# KiCad board ardumower mega shield svn.kicad_pcb (continued)
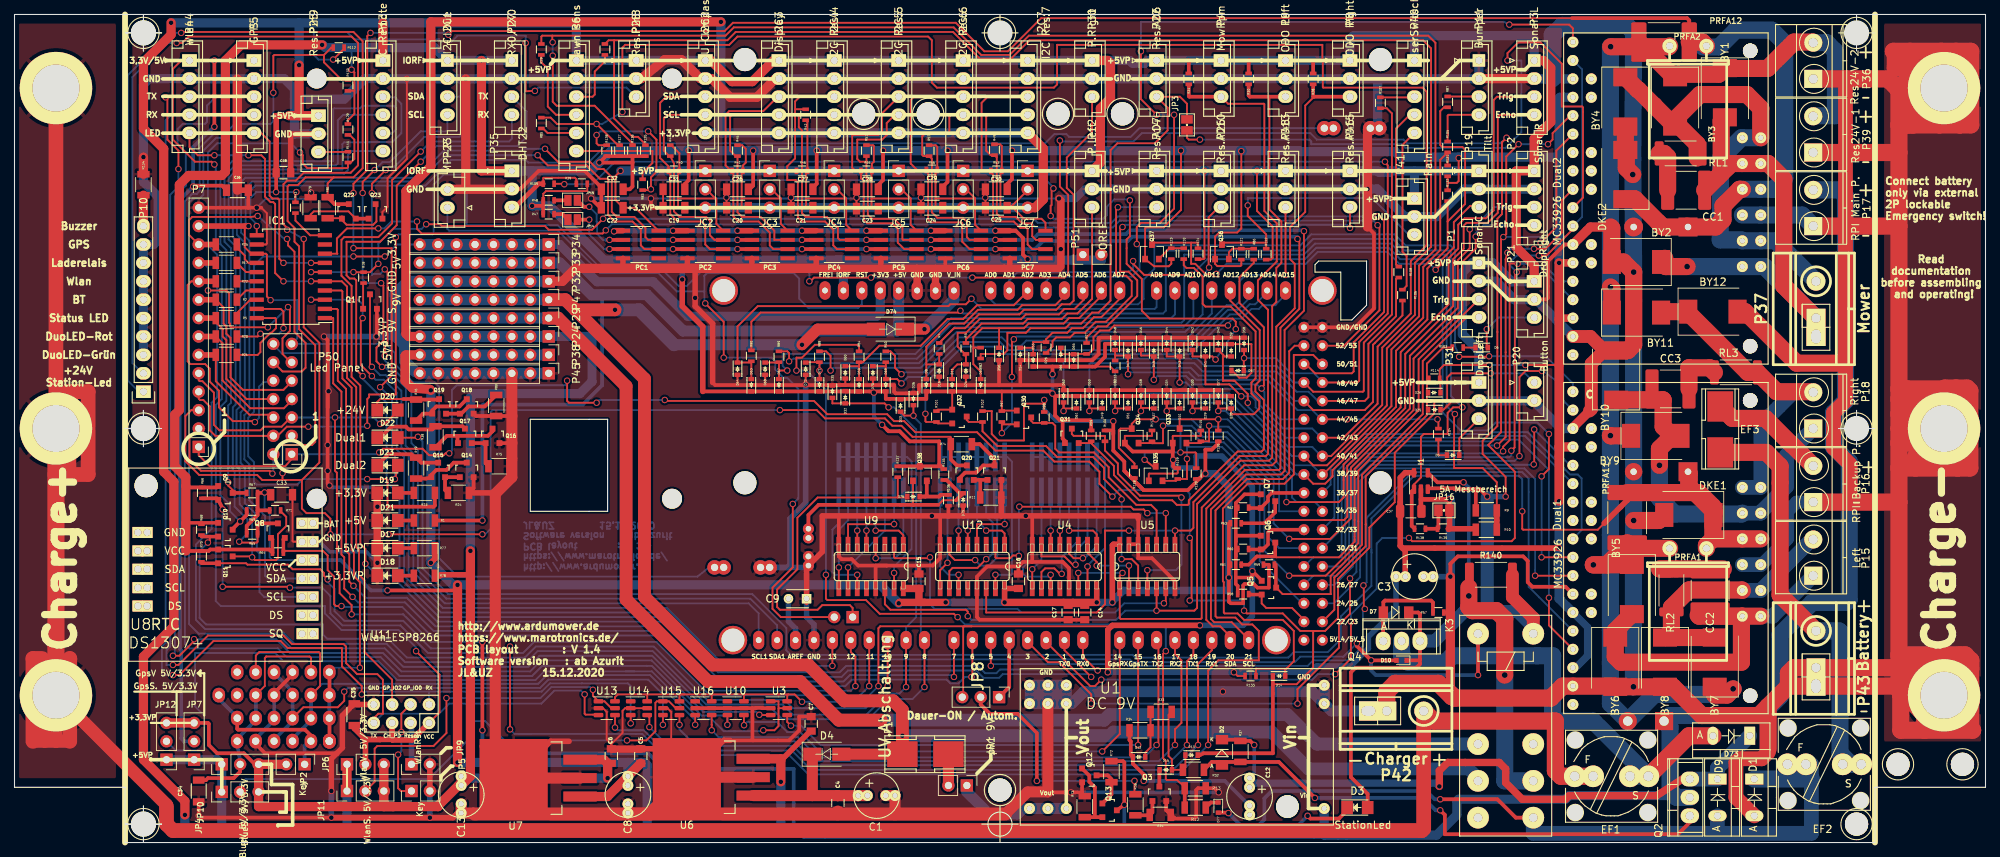
[diagram p0: board, top side]
## Placement (name value [footprint] x y rotation side) (continued)
R126  XXXX  [R_0603]  85.22 95.5 270 top
R127  XXXX  [R_0603]  83.44 95.5 270 top
R128  XXXX  [R_0603]  81.66 95.5 270 top
R129  XXXX  [R_0603]  45.97 98.43 90 top
R130  XXXX  [R_0603]  45.97 104.52 270 top
R131  10K  [R_0603]  197.61 92.71 270 top
R132  10K  [R_0603]  197.61 89.28 90 top
R133  10K  [R_0603]  170.43 22.99 180 top
R134  220R  [R_1206]  17.78 90.81 90 top
R135  56K  [R_0603]  128.14 50.8 270 top
R136  1K  [R_0603]  128.78 47.24 270 top
R137  10K  [R_0603]  121.79 51.18 90 top
R138  10K  [R_0603]  193.8 43.31 0 top
R139  10K  [R_0603]  196.98 43.31 0 top
R140  0.1 1% 2W  [R_2512_6332Metric]  203.58 36.96 180 top
RL1  WF25P-1R8-5% 2W  [R_2512_6332Metric]  229.74 95.12 0 top
RL2  WF25P-1R8-5% 2W  [R_2512_6332Metric]  228.47 34.8 270 top
RL3  WF25P-1R8-5% 2W  [R_2512_6332Metric]  237.36 64.9 0 top
S1  ODO Right  [SW_DIP_x8_SMD]  144.78 50.8 180 bottom
S2  ODO Left  [SW_DIP_x8_SMD]  118.11 50.8 180 bottom
S3  MowRpm  [SW_DIP_x8_SMD]  132.08 50.8 180 bottom
SHIELD1  ARDUINO_MEGA_SHIELD  [ARDUINO_MEGA_SHIELD_DUO_3D]  83.82 78.74 0 bottom
SP1  SPEAKER  [Buzzer_12x9.5RM7.6_RM5.0]  184.4 98.6 180 bottom
SP2  SPEAKER  [Buzzer_12x9.5RM7.6_RM5.0]  100.33 37.97 180 bottom
U1  DC 9V  [DC_DC_DSN2596_mit_Bohrloch_doppelte_Lochreihe]  181.86 24 180 top
U2  Bluetooth_CZ_HC_05  [Bluetooth_Buchse_Platz_mit_Beschriftung_4_fach]  37.06 14 180 bottom
U3  SN74LVC1T45DBV  [SOT-23-6]  105.41 18.54 0 top
U4  4017  [40xx-SO16]  144.78 38.1 180 top
U5  4081  [40xx-SO14]  156.21 38.1 0 top
U6  LM2940CS-5.0  [TO-263-3Lead]  101.85 9.02 180 top
U7  LM3940IS-3.3  [TO-263-3Lead]  77.98 8.89 180 top
U8  DS1307+  [Tiny_RTC_DS1307_geändert_mit_Bohrloch_4Lochreihen]  28.45 40.26 180 top
U9  4017  [40xx-SO16]  118.11 38.1 180 top
U10  SN74LVC1T45DBV  [SOT-23-6]  99.44 18.54 0 top
U11  Wlan_ESP8266  [Wlan_ESP8266_3D_mit_Pin_Beschreibung_ohne_Rahmen]  53.34 17.78 0 top
U12  4017  [40xx-SO16]  132.08 38.1 180 top
U13  SN74LVC1T45DBV  [SOT-23-6]  81.66 18.54 0 top
U14  SN74LVC1T45DBV  [SOT-23-6]  86.11 18.54 0 top
U15  SN74LVC1T45DBV  [SOT-23-6]  90.55 18.54 0 top
U16  SN74LVC1T45DBV  [SOT-23-6]  95 18.54 0 top

## Library data of the parts
B1-B10 B13 B17-B22 = -: Bestücken (Assemble): Bohrloch; Dateiname Blatt: Bohrlöcher.kicad_sch; Gehäuseart: Bohrloch; Reichelt-Bestellnummer: Value; Schaltplanname: Bohrlöcher; Technische Daten: Bohrloch
B11 B12 B14 = -: Bestellnummer: Value; Bestücken (Assemble): Bohrloch; Dateiname Blatt: Bohrlöcher.kicad_sch; Funktion: Bohrloch; Gehäuseart: Bohrloch; Reichelt-Bestellnummer: Value; Schaltplanname: Bohrlöcher; Technische Daten: Bohrloch
B15 = -: Bestellnummer: Value; Bestücken (Assemble): Bohrloch; Dateiname Blatt: Bohrlöcher.kicad_sch; Gehäuseart: Bohrloch; Reichelt-Bestellnummer: Value; Schaltplanname: Bohrlöcher
B16 = -: Bauform: Value; Bestellnummer: Value; Bestücken (Assemble): Bohrloch; Dateiname Blatt: Bohrlöcher.kicad_sch; Funktion: Bohrloch; Gehäuseart: Bohrloch; Hersteller: Value; Reichelt-Bestellnummer: Value; Schaltplanname: Bohrlöcher; Technische Daten: Bohrloch
B23 B24 = -: Bauform: Value; Bestellnummer: Value; Bestücken (Assemble): Symbol Logo; Dateiname Blatt: Bohrlöcher.kicad_sch; Funktion: Symbol Logo; Gehäuseart: Bohrloch; Hersteller: Value; Schaltplanname: Bohrlöcher; Technische Daten: Symbol Logo
BY1-BY4 = -: Bauform: SMC; Bestelllink: https://www.mouser.de/ProductDetail/Diodes-Incorporated/S5MC-13-F?qs=xKg2%2Fz3XHc%252B1zUvQcK7GkA==; Bestellnummer: Value; Bestücken (Assemble): JA (YES); Dateiname Blatt: MähmotorSchutz.kicad_sch; Funktion: Gleichrichter 1000V 5A; Gehäuseart: SMC; Mouser Datenblatt: https://www.mouser.de/datasheet/2/115/ds16007-37966.pdf; Mouser Nummer: 621-S5MC-F; Schaltplanname: MähmotorSchutz; Technische Daten: Gleichrichter 1000V 5A
BY5-BY8 = -: Bauform: SMC; Bestelllink: https://www.mouser.de/ProductDetail/Diodes-Incorporated/S5MC-13-F?qs=xKg2%2Fz3XHc%252B1zUvQcK7GkA==; Bestellnummer: Value; Bestücken (Assemble): JA (YES); Dateiname Blatt: MotorLinks.kicad_sch; Funktion: Gleichrichter 1000V 5A; Gehäuseart: SMC; Mouser Datenblatt: https://www.mouser.de/datasheet/2/115/ds16007-37966.pdf; Mouser Nummer: 621-S5MC-F; Schaltplanname: MotorLinks; Technische Daten: Gleichrichter 1000V 5A
BY9-BY12 = -: Bauform: SMC; Bestelllink: https://www.mouser.de/ProductDetail/Diodes-Incorporated/S5MC-13-F?qs=xKg2%2Fz3XHc%252B1zUvQcK7GkA==; Bestellnummer: Value; Bestücken (Assemble): JA (YES); Dateiname Blatt: MotorRechts.kicad_sch; Funktion: Gleichrichter 1000V 5A; Gehäuseart: SMC; Mouser Datenblatt: https://www.mouser.de/datasheet/2/115/ds16007-37966.pdf; Mouser Nummer: 621-S5MC-F; Schaltplanname: MotorRechts; Technische Daten: Gleichrichter 1000V 5A
C1 C8 C13 = -: Bauform: 6,3x11mm, RM 2,5mm; Bestelllink: https://www.reichelt.de/de/en/electrolytic-capacitor-6-3-x-11-mm-spacing-2-5-mm-rad-22-63-p15116.html?&trstct=pos_0&nbc=1; Bestellnummer: R: RAD 22/63; Bestücken (Assemble): NEIN (NO); Dateiname Blatt: Spannungsversorgung.kicad_sch; Funktion: Elko, radial, 22 µF, 63 V, RM 2,5, 85°C, 2000h, 20%; Gehäuseart: Value; Reichelt-Bestellnummer: R: RAD 22/63; Schaltplanname: Spannungsversorgung; Technische Daten: Elko, radial, 22 µF, 63 V, RM 2,5, 85°C, 2000h, 20%
C2 = -: Bauform: Value; Bestelllink: Value; Bestellnummer: Value; Bestücken (Assemble): NEIN (NO); Dateiname Blatt: Anschlußstecker.kicad_sch; Funktion: Value; Gehäuseart: Value; Hersteller: Value; Schaltplanname: Anschlußstecker; Technische Daten: Value
C3 = -: Bauform: Value; Bestelllink: Value; Bestellnummer: Value; Bestücken (Assemble): NEIN (NO); Dateiname Blatt: ardumower mega shield svn.kicad_sch; Funktion: Value; Gehäuseart: Value; Technische Daten: Value
C4-C7 = -: Bestelllink: https://www.reichelt.de/de/en/mlcc-0805-100nf-100v-10-ft-cap-x7r-0805fcg-100n-p193842.html?GROUPID=8048&SEARCH=0805%2B100nf&&r=1; Bestellnummer: Value; Bestücken (Assemble): JA (YES); Dateiname Blatt: Spannungsversorgung.kicad_sch; Funktion: X7R 0805FCG 100N MLCC, 0805, 100nF, 100V, 10%, FT-Cap; Gehäuseart: Value; Schaltplanname: Spannungsversorgung
C9 = -: Bestelllink: Value; Bestellnummer: Value; Bestücken (Assemble): NEIN (NO); Dateiname Blatt: Arduino_Mega.kicad_sch; Funktion: Value; Gehäuseart: Value; Schaltplanname: Arduino_Mega
C10 = -: Bestelllink: Value; Bestellnummer: Value; Bestücken (Assemble): NEIN (NO); Dateiname Blatt: Motortreiber1.kicad_sch; Funktion: Value; Gehäuseart: Value; Schaltplanname: Motortreiber1
C11 = -: Bestelllink: Value; Bestellnummer: Value; Bestücken (Assemble): NEIN (NO); Dateiname Blatt: Motortreiber2.kicad_sch; Funktion: Value; Gehäuseart: Value; Schaltplanname: Motortreiber2
C12 = -: Bauform: 6,3x11mm, RM 2,5mm; Bestelllink: https://www.reichelt.de/de/en/electrolytic-capacitor-6-3-x-11-mm-spacing-2-5-mm-rad-22-63-p15116.html?&trstct=pos_0&nbc=1; Bestellnummer: R: RAD 22/63; Bestücken (Assemble): NEIN (NO); Dateiname Blatt: USpannungAB.kicad_sch; Funktion: Elko, radial, 22 µF, 63 V, RM 2,5, 85°C, 2000h, 20%; Gehäuseart: Value; Reichelt-Bestellnummer: R: RAD 22/63; Schaltplanname: USpannungAB; Technische Daten: Elko, radial, 22 µF, 63 V, RM 2,5, 85°C, 2000h, 20%
C14-C17 = -: Bauform: Value; Bestelllink: https://www.reichelt.de/de/en/mlcc-0805-100nf-100v-10-ft-cap-x7r-0805fcg-100n-p193842.html?GROUPID=8048&SEARCH=0805%2B100nf&&r=1; Bestellnummer: Value; Bestücken (Assemble): JA (YES); Dateiname Blatt: OdoTeiler.kicad_sch; Funktion: X7R 0805FCG 100N MLCC, 0805, 100nF, 100V, 10%, FT-Cap; Gehäuseart: Value; Schaltplanname: OdoTeiler; Technische Daten: Value
C18 = -: Bauform: Value; Bestelllink: https://www.reichelt.de/de/en/mlcc-0805-100nf-100v-10-ft-cap-x7r-0805fcg-100n-p193842.html?GROUPID=8048&SEARCH=0805%2B100nf&&r=1; Bestellnummer: Value; Bestücken (Assemble): JA (YES); Dateiname Blatt: Leuchtdioden.kicad_sch; Funktion: X7R 0805FCG 100N MLCC, 0805, 100nF, 100V, 10%, FT-Cap; Gehäuseart: Value; Schaltplanname: Leuchtdioden; Technische Daten: Value
C19-C33 = -: Bauform: Value; Bestelllink: https://www.reichelt.de/de/en/mlcc-1206-100nf-100v-5--x7r-1206-bg-100n-p194430.html?GROUPID=8049&SEARCH=1206%2B100nf&&r=1; Bestellnummer: Value; Bestücken (Assemble): JA (YES); Dateiname Blatt: I2C.kicad_sch; Funktion: X7R 1206 BG 100N MLCC, 1206, 100nF, 100V, 5%; Gehäuseart: 1206; Hersteller: Value; Hersteller Bestellnummer: Value; Schaltplanname: I2C; Technische Daten: X7R 1206 BG 100N MLCC, 1206, 100nF, 100V, 5%
C34-C36 = -: Bauform: Value; Bestelllink: https://www.reichelt.de/de/en/mlcc-1206-100nf-100v-5--x7r-1206-bg-100n-p194430.html?GROUPID=8049&SEARCH=1206%2B100nf&&r=1; Bestellnummer: Value; Bestücken (Assemble): JA (YES); Dateiname Blatt: Wlan_BT_GPS.kicad_sch; Funktion: X7R 1206 BG 100N MLCC, 1206, 100nF, 100V, 5%; Gehäuseart: 1206; Hersteller: Value; Hersteller Bestellnummer: Value; Schaltplanname: Wlan_BT_GPS; Technische Daten: X7R 1206 BG 100N MLCC, 1206, 100nF, 100V, 5%
C37 = -: Bauform: Value; Bestelllink: https://www.reichelt.de/de/en/mlcc-1206-100nf-100v-5--x7r-1206-bg-100n-p194430.html?GROUPID=8049&SEARCH=1206%2B100nf&&r=1; Bestellnummer: Value; Bestücken (Assemble): JA (YES); Dateiname Blatt: Stromsensor_INA.kicad_sch; Funktion: X7R 1206 BG 100N MLCC, 1206, 100nF, 100V, 5%; Gehäuseart: 1206; Hersteller: Value; Hersteller Bestellnummer: Value; Schaltplanname: Stromsensor_INA; Technische Daten: X7R 1206 BG 100N MLCC, 1206, 100nF, 100V, 5%
CC1 = -: Bestelllink: https://www.mouser.de/ProductDetail/WIMA/SMDIF02100QA00JQ00?qs=KSac9zHBIo3rfA7nKOuWBw%3D%3D; Bestellnummer: Value; Bestücken (Assemble): JA (YES); Dateiname Blatt: MähmotorSchutz.kicad_sch; Funktion: Film Capacitors 250V .01uF 5% TOL MAX REFLOW 250/C; Gehäuseart: 2220; Mouser Datenblatt: https://www.mouser.de/datasheet/2/440/e_WIMA_SMD_PPS-1139945.pdf; Schaltplanname: MähmotorSchutz; Technische Daten: Film Capacitors 250V .01uF 5% TOL MAX REFLOW 250/C
CC2 = -: Bauform: 2220; Bestelllink: https://www.mouser.de/ProductDetail/WIMA/SMDIF02100QA00JQ00?qs=KSac9zHBIo3rfA7nKOuWBw%3D%3D; Bestellnummer: Value; Bestücken (Assemble): JA (YES); Dateiname Blatt: MotorLinks.kicad_sch; Funktion: Film Capacitors 250V .01uF 5% TOL MAX REFLOW 250/C; Gehäuseart: 2220; Mouser Datenblatt: https://www.mouser.de/datasheet/2/440/e_WIMA_SMD_PPS-1139945.pdf; Schaltplanname: MotorLinks; Technische Daten: Film Capacitors 250V .01uF 5% TOL MAX REFLOW 250/C
CC3 = -: Bauform: 2220; Bestelllink: https://www.mouser.de/ProductDetail/WIMA/SMDIF02100QA00JQ00?qs=KSac9zHBIo3rfA7nKOuWBw%3D%3D; Bestellnummer: Value; Bestücken (Assemble): JA (YES); Dateiname Blatt: MotorRechts.kicad_sch; Funktion: Film Capacitors 250V .01uF 5% TOL MAX REFLOW 250/C; Gehäuseart: 2220; Mouser Datenblatt: https://www.mouser.de/datasheet/2/440/e_WIMA_SMD_PPS-1139945.pdf; Schaltplanname: MotorRechts; Technische Daten: Film Capacitors 250V .01uF 5% TOL MAX REFLOW 250/C
D1 D9 = -: Bauform: Value; Bestelllink: https://www.reichelt.de/schottkydiode-45-v-10-a-to-220ac-mbr-1045-p41944.html?&trstct=pos_0&nbc=1; Bestellnummer: R: MBR 1045; Bestücken (Assemble): NEIN (NO); Dateiname Blatt: ardumower mega shield svn.kicad_sch; Funktion: Schottkydiode, 45 V, 10 A, TO-220AC; Gehäuseart: TO-220AC; Reichelt-Bestellnummer: R: MBR 1045; Technische Daten: Schottkydiode, 45 V, 10 A, TO-220AC
D2 = -: Bauform: Value; Bestelllink: http://www.reichelt.de/SMD-ZF-15/3/index.html?&ACTION=3&LA=446&ARTICLE=18932&artnr=SMD+ZF+15&SEARCH=SMD+ZF+15; Bestellnummer: R: ZD 15; Bestücken (Assemble): JA (YES); Dateiname Blatt: USpannungAB.kicad_sch; Funktion: Chip Zener diode 0.5 W 15 V; Gehäuseart: SOD80 / minimelf; Reichelt-Bestellnummer: R: ZD 15; Schaltplanname: USpannungAB; Technische Daten: Chip-Zener-Diode 0,5W 15V
D3 = -: Bauform: Value; Bestelllink: https://www.reichelt.de/de/en/yellow-smd-led-with-dome-lens-300-mcd-smd-led-1206k-ge-p54088.html?GROUPID=3035&SEARCH=LED%2B1206&&r=1; Bestellnummer: R: SMD-LED 1206K GE; Bestücken (Assemble): JA (YES); Dateiname Blatt: Stationsled.kicad_sch; Funktion: Yellow SMD LED with dome lens, 300 mcd; Gehäuseart: Value; Reichelt-Bestellnummer: R: SMD-LED 1206K GE; Schaltplanname: Stationsled; Technische Daten: Yellow SMD LED with dome lens, 300 mcd
D4 = -: Bauform: Value; Bestelllink: https://www.reichelt.de/SB-SKE-4F-Dioden/S-1G-SMD/3/index.html?ACTION=3&LA=446&ARTICLE=95354&GROUPID=2991&artnr=S+1G+SMD&SEARCH=1N%2B4004%2BSMD; Bestellnummer: R: S 1G SMD; Bestücken (Assemble): JA (YES); Dateiname Blatt: Spannungsversorgung.kicad_sch; Funktion: Gleichrichterdiode, 400 V, 1 A, DO-214AC/SMA; Gehäuseart: Value; Hersteller: Value; Hersteller Bestellnummer: Value; Reichelt-Bestellnummer: R: S 1G SMD; Schaltplanname: Spannungsversorgung; Technische Daten: Si-Gleichrichterdiode, DO214AC, 400V, 1A
D5 D6 D8 D11 D16 D24-D72 = -: Bauform: 0603; Bestelllink: https://www.reichelt.de/schottkydiode-35-v-0-2-a-g0603-tss-0230lu-p146619.html?GROUPID=2991&SEARCH=TSS0230LU&&r=1; Bestelllink2: https://www.schukat.com/schukat/schukat_cms_de.nsf/index/suchergebnisse?OpenDocument&query=TSS0230LU&news=true&katalog=true; Bestellnummer: R: TSS 0230LU; Bestellnummer2: S: TSS0230LU; Bestücken (Assemble): JA (YES); Dateiname Blatt: Arduino_Mega.kicad_sch; Funktion: Schottkydiode, 35 V, 0,2 A, G0603; Gehäuseart: 0603; Hersteller: Value; Hersteller Bestellnummer: Value; Reichelt-Bestellnummer: R: TSS 0230LU; Schaltplanname: Arduino_Mega; Technische Daten: SMD-Schottky 35V 0,2A 0603
D7 = -: Bauform: Value; Bestelllink: http://www.reichelt.de/SMD-ZF-15/3/index.html?&ACTION=3&LA=446&ARTICLE=18932&artnr=SMD+ZF+15&SEARCH=SMD+ZF+15; Bestellnummer: R: ZD 15; Bestücken (Assemble): JA (YES); Dateiname Blatt: VerpolungsschutzLade.kicad_sch; Funktion: Chip Zener diode 0.5 W 15 V; Gehäuseart: SOD80 / minimelf; Reichelt-Bestellnummer: R: ZD 15; Schaltplanname: VerpolungsschutzLade.; Technische Daten: Chip-Zener-Diode 0,5W 15V
D10 = -: Bauform: SOD-523; Bestelllink: https://www.reichelt.de/schalt-diode-100-v-150-ma-sod-523-1n-4148wt7-dii-p219386.html?&trstct=pos_6&nbc=1; Bestellnummer: R: 1N 4148WT7 DII; Bestücken (Assemble): JA (YES); Dateiname Blatt: ardumower mega shield svn.kicad_sch; Funktion: Schalt-Diode, 100 V, 150 mA, SOD-523; Gehäuseart: SOD-523; Reichelt-Bestellnummer: R: 1N 4148WT7 DII; Technische Daten: Schalt-Diode, 100 V, 150 mA, SOD-523
D12-D15 = -: Bauform: 0603; Bestelllink: https://www.reichelt.de/schottkydiode-35-v-0-2-a-g0603-tss-0230lu-p146619.html?GROUPID=2991&SEARCH=TSS0230LU&&r=1; Bestelllink2: https://www.schukat.com/schukat/schukat_cms_de.nsf/index/suchergebnisse?OpenDocument&query=TSS0230LU&news=true&katalog=true; Bestellnummer: R: TSS 0230LU; Bestellnummer2: S: TSS0230LU; Bestücken (Assemble): JA (YES); Dateiname Blatt: USpannungAB.kicad_sch; Funktion: Schottkydiode, 35 V, 0,2 A, G0603; Gehäuseart: 0603; Hersteller: Value; Hersteller Bestellnummer: Value; Reichelt-Bestellnummer: R: TSS 0230LU; Schaltplanname: USpannungAB; Technische Daten: SMD-Schottky 35V 0,2A 0603
D17-D23 = -: Bestelllink: https://www.reichelt.de/de/en/green-smd-led-with-dome-lens-200-mcd-smd-led-1206k-gn-p54087.html?GROUPID=3035&SEARCH=SMD-LED%2B1206K%2Bgn&&r=1; Bestellnummer: R: SMD-LED 1206K GN; Bestücken (Assemble): JA (YES); Dateiname Blatt: Leuchtdioden.kicad_sch; Funktion: Green SMD LED with dome lens, 200 mcd; Gehäuseart: 3216 (1206); Reichelt-Bestellnummer: R: SMD-LED 1206K GN; Schaltplanname: Leuchtdioden; Technische Daten: Green SMD LED with dome lens, 200 mcd
D73 = -: Bauform: Value; Bestelllink: https://www.reichelt.de/schottkydiode-45-v-10-a-to-220ac-mbr-1045-p41944.html?&trstct=pos_0&nbc=1; Bestellnummer: R: MBR 1045; Bestücken (Assemble): NEIN (NO); Dateiname Blatt: ardumower mega shield svn.kicad_sch; Funktion: Schottkydiode, 45 V, 10 A, TO-220AC; Gehäuseart: TO-220AC; Hersteller: Value; Hersteller Bestellnummer: Value; Reichelt-Bestellnummer: R: MBR 1045; Technische Daten: Schottkydiode, 45 V, 10 A, TO-220AC
D74 = -: Bauform: Value; Bestelllink: https://www.reichelt.de/SB-SKE-4F-Dioden/S-1G-SMD/3/index.html?ACTION=3&LA=446&ARTICLE=95354&GROUPID=2991&artnr=S+1G+SMD&SEARCH=1N%2B4004%2BSMD; Bestellnummer: R: S 1G SMD; Bestücken (Assemble): JA (YES); Dateiname Blatt: Arduino_Mega.kicad_sch; Funktion: Gleichrichterdiode, 400 V, 1 A, DO-214AC/SMA; Gehäuseart: Value; Hersteller: Value; Hersteller Bestellnummer: Value; Reichelt-Bestellnummer: R: S 1G SMD; Schaltplanname: Arduino_Mega; Technische Daten: Si-Gleichrichterdiode, DO214AC, 400V, 1A
D75 D76 = -: Bauform: 0603; Bestelllink: https://www.reichelt.de/schottkydiode-35-v-0-2-a-g0603-tss-0230lu-p146619.html?GROUPID=2991&SEARCH=TSS0230LU&&r=1; Bestelllink2: https://www.schukat.com/schukat/schukat_cms_de.nsf/index/suchergebnisse?OpenDocument&query=TSS0230LU&news=true&katalog=true; Bestellnummer: R: TSS 0230LU; Bestellnummer2: S: TSS0230LU; Bestücken (Assemble): JA (YES); Dateiname Blatt: Anschlußstecker.kicad_sch; Funktion: Schottkydiode, 35 V, 0,2 A, G0603; Gehäuseart: 0603; Hersteller: Value; Hersteller Bestellnummer: Value; Reichelt-Bestellnummer: R: TSS 0230LU; Schaltplanname: Anschlußstecker; Technische Daten: SMD-Schottky 35V 0,2A 0603
D77 = -: Bauform: SOD-523; Bestelllink: https://www.reichelt.de/schalt-diode-100-v-150-ma-sod-523-1n-4148wt7-dii-p219386.html?&trstct=pos_6&nbc=1; Bestellnummer: R: 1N 4148WT7 DII; Bestücken (Assemble): JA (YES); Dateiname Blatt: ardumower mega shield svn.kicad_sch; Funktion: Schalt-Diode, 100 V, 150 mA, SOD-523; Gehäuseart: SOD-523; Hersteller Bestellnummer: Value; Reichelt-Bestellnummer: R: 1N 4148WT7 DII; Technische Daten: Schalt-Diode, 100 V, 150 mA, SOD-523
DKE1 = -: Bauform: DO-214AB/SMC; Bestelllink: https://www.reichelt.de/tvs-diode-bidirektional-28-v-1500-w-do-214ab-smc-smcj28ca-vis-p290948.html?&trstct=pos_0&nbc=1; Bestellnummer: R: SMCJ28CA VIS; Bestücken (Assemble): JA (YES); Dateiname Blatt: Motortreiber1.kicad_sch; Funktion: SMCJ28CA VIS TVS-Diode, bidirektional, 28 V, 1500 W, DO-214AB/SMC; Gehäuseart: DO-214AB/SMC; Hersteller: Value; Hersteller Bestellnummer: Value; Schaltplanname: Motortreiber1; Technische Daten: SMCJ28CA VIS TVS-Diode, bidirektional, 28 V, 1500 W, DO-214AB/SMC
DKE2 = -: Bauform: DO-214AB/SMC; Bestelllink: https://www.reichelt.de/tvs-diode-bidirektional-28-v-1500-w-do-214ab-smc-smcj28ca-vis-p290948.html?&trstct=pos_0&nbc=1; Bestellnummer: R: SMCJ28CA VIS; Bestücken (Assemble): JA (YES); Dateiname Blatt: Motortreiber2.kicad_sch; Funktion: SMCJ28CA VIS TVS-Diode, bidirektional, 28 V, 1500 W, DO-214AB/SMC; Gehäuseart: DO-214AB/SMC; Hersteller: Value; Hersteller Bestellnummer: Value; Schaltplanname: Motortreiber2; Technische Daten: SMCJ28CA VIS TVS-Diode, bidirektional, 28 V, 1500 W, DO-214AB/SMC
Dual1 Dual2 = -: Bestelllink: Value; Bestücken (Assemble): NEIN (NO); Dateiname Blatt: Motortreiber.kicad_sch; Schaltplanname: Motortreiber
EF1 EF2 = -: Bauform: Value; Bestelllink: https://www.reichelt.de/Sicherungshalter/RND-170-00006/3/index.html?ACTION=3&LA=5700&ARTICLE=170726&GROUPID=7659&artnr=RND+170-00006; Bestellnummer: R: RND 170-00006; Bestücken (Assemble): NEIN (NO); Dateiname Blatt: ardumower mega shield svn.kicad_sch; Funktion: Sicherungshalter, Feinsicherungen 5x20mm, vertikal; Gehäuseart: Value; Hersteller: Value; Hersteller Bestellnummer: Value; Reichelt-Bestellnummer: R: RND 170-00006; Technische Daten: Sicherungshalter, Feinsicherungen 5x20mm, vertikal
EF3 = -: Bauform: Value; Bestelllink: https://www.reichelt.de/SMD-Sicherungen/OMT-125-3-5A/3/index.html?ACTION=3&LA=446&ARTICLE=52972&GROUPID=7660&artnr=OMT+125+3%2C5A&SEARCH=smd%2Bsicherung%2B125; Bestellnummer: R: OMH 125 HALTER; Bestücken (Assemble): JA (YES); Dateiname Blatt: ardumower mega shield svn.kicad_sch; Funktion: Value; Gehäuseart: Value; Hersteller: Value; Hersteller Bestellnummer: Value; Technische Daten: https://www.reichelt.de/SMD-Sicherungen/OMH-125-HALTER/3/index.html?ACTION=3&LA=446&ARTICLE=77866&GROUPID=7660&artnr=OMH+125+HALTER&SEARCH=smd%2Bsicherung%2B125
F1 = -: Bauform: Value; Bestelllink: https://www.reichelt.de/SMD-Sicherungen/OMT-125-3-5A/3/index.html?ACTION=3&LA=446&ARTICLE=52972&GROUPID=7660&artnr=OMT+125+3%2C5A&SEARCH=smd%2Bsicherung%2B125; Bestellnummer: R: OMH 125 HALTER; Bestücken (Assemble): JA (YES); Dateiname Blatt: Spannungsversorgung.kicad_sch; Funktion: Value; Gehäuseart: Value; Hersteller: Value; Hersteller Bestellnummer: Value; Schaltplanname: Spannungsversorgung; Technische Daten: https://www.reichelt.de/SMD-Sicherungen/OMH-125-HALTER/3/index.html?ACTION=3&LA=446&ARTICLE=77866&GROUPID=7660&artnr=OMH+125+HALTER&SEARCH=smd%2Bsicherung%2B125
I1 = -: Bestücken (Assemble): JA (YES); Dateiname Blatt: Stromsensor_INA.kicad_sch; Funktion: Current & Power Monitors & Regulators; Gehäuseart: SOT-23-5; Hersteller: Texas Instruments; Schaltplanname: Stromsensor_INA; Technische Daten: Current & Power Monitors & Regulators
I2C1 = -: Bauform: Value; Bestelllink: Value; Bestellnummer: Value; Bestücken (Assemble): NEIN (NO); Dateiname Blatt: I2C.kicad_sch; Funktion: Value; Gehäuseart: Value; Hersteller: Value; Hersteller Bestellnummer: Value; Schaltplanname: I2C; Technische Daten: Value
I2C2-I2C7 R40 R41 R44 R45 = -: Bauform: Value; Bestelllink: Value; Bestellnummer: Value; Bestücken (Assemble): NEIN (NO); Dateiname Blatt: I2C.kicad_sch; Gehäuseart: Value; Schaltplanname: I2C; Technische Daten: Value
IC1 = -: Availability: Unavailable; Bauform: SOIC-20W; Bestelllink: https://www.reichelt.de/de/en/8-channel-driver-with-overcurrent-protection-35-v-500-ma-soic-udn-2987-lwtr-6t-p189042.html?GROUPID=2921&SEARCH=UDN%2B2987&&r=1; Bestellnummer: R: UDN 2987 LWTR-6T; Bestücken (Assemble): JA (YES); Dateiname Blatt: Leuchtdioden.kicad_sch; Funktion: UDN 2987 LWTR-6T 8-channel driver with overcurrent protection, 35 V, 500 mA, SOIC; Gehäuseart: SOIC-20W; Hersteller: Value; Hersteller Bestellnummer: Value; MF: Allegro MicroSystems LLC; MP: UDN2987A-6-T; Package: DIP-20 Allegro MicroSystems LLC; Price: 1.94 USD; Reichelt-Bestellnummer: R: UDN 2987 LWTR-6T; Schaltplanname: Leuchtdioden; Technische Daten: UDN 2987 LWTR-6T 8-channel driver with overcurrent protection, 35 V, 500 mA, SOIC
JC2-JC7 = -: Bestücken (Assemble): NEIN (NO); Dateiname Blatt: I2C.kicad_sch; Schaltplanname: I2C
JP1 = -: Bauform: Value; Bestelllink: Value; Bestellnummer: Value; Bestücken (Assemble): NEIN (NO); Dateiname Blatt: Spannungsversorgung.kicad_sch; Gehäuseart: Value; Schaltplanname: Spannungsversorgung; Technische Daten: Value
JP2 JP4-JP7 JP9-JP12 P5 P44 = -: Bauform: Value; Bestelllink: Value; Bestellnummer: Value; Bestücken (Assemble): NEIN (NO); Dateiname Blatt: Wlan_BT_GPS.kicad_sch; Gehäuseart: Value; Schaltplanname: Wlan_BT_GPS; Technische Daten: Value
JP3 = -: Bestelllink: Value; Bestücken (Assemble): NEIN (NO); Dateiname Blatt: Motortreiber.kicad_sch; Gehäuseart: Value; Schaltplanname: Motortreiber
JP8 = -: Bestücken (Assemble): NEIN (NO); Dateiname Blatt: USpannungAB.kicad_sch; Schaltplanname: USpannungAB
JP13 P51 = -: Bauform: Value; Bestelllink: Value; Bestellnummer: Value; Bestücken (Assemble): NEIN (NO); Dateiname Blatt: Anschlußstecker.kicad_sch; Funktion: Value; Gehäuseart: Value; Hersteller: Value; Hersteller Bestellnummer: Value; Schaltplanname: Anschlußstecker; Technische Daten: Value
JP14 JP15 = -: Bestücken (Assemble): NEIN (NO) SolderJumper; Dateiname Blatt: I2C.kicad_sch; Schaltplanname: I2C
JP16 = -: Bestücken (Assemble): NEIN (NO) SolderJumper; Dateiname Blatt: Stromsensor_INA.kicad_sch; Schaltplanname: Stromsensor_INA
K3 = -: Bestellnummer: Siehe Bauteileigenschaften; Bestellnummer 12V: R: FIN 40.52.9 12V; Bestellnummer 24V: R: FIN 40.52.9 24V; Bestellnummer 6V: R: FIN 40.52.9 6V; Bestücken (Assemble): NEIN (NO) SolderJumper; Dateiname Blatt: ardumower mega shield svn.kicad_sch; Printfassung für Relais: R: FIN 95.15.2; Quelle: http://www.reichelt.de/Print-Steckrelais/FIN-40-52-9-6V/3/index.html?&ACTION=3&LA=2&ARTICLE=8108&GROUPID=3293&artnr=FIN+40.52.9+6V
P1-P4 P8 P9 P11-P14 P19 P21 P22 P25-P28 P30 P31 P35 P40 P41 P46 P48 = -: Bauform: Value; Bestelllink: Value; Bestellnummer: Value; Bestücken (Assemble): NEIN (NO); Dateiname Blatt: Anschlußstecker.kicad_sch; Gehäuseart: Value; Schaltplanname: Anschlußstecker; Technische Daten: Value
P6 = -: Bestücken (Assemble): NEIN (NO); Dateiname Blatt: Anschlußstecker.kicad_sch; Schaltplanname: Anschlußstecker
P7 = -: Bauform: Value; Bestelllink: Value; Bestellnummer: Value; Bestücken (Assemble): NEIN (NO); Dateiname Blatt: Leuchtdioden.kicad_sch; Funktion: Value; Gehäuseart: Value; Hersteller: Value; Hersteller Bestellnummer: Value; Schaltplanname: Leuchtdioden; Technische Daten: Value
P10 = -: Bauform: Value; Bestelllink: Value; Bestellnummer: Value; Bestücken (Assemble): NEIN (NO); Dateiname Blatt: Leuchtdioden.kicad_sch; Gehäuseart: Value; Schaltplanname: Leuchtdioden; Technische Daten: Value
P15 P36 P37 P39 = -: Bauform: Value; Bestelllink: Value; Bestellnummer: Value; Bestücken (Assemble): NEIN (NO); Dateiname Blatt: Motortreiber.kicad_sch; Gehäuseart: Value; Schaltplanname: Motortreiber; Technische Daten: Value
P16 P17 = -: Bauform: Value; Bestelllink: Value; Bestellnummer: Value; Bestücken (Assemble): NEIN (NO); Dateiname Blatt: ardumower mega shield svn.kicad_sch; Funktion: Value; Gehäuseart: Value; Hersteller: Value; Hersteller Bestellnummer: Value; Technische Daten: Value
P18 = -: Bauform: Value; Bestelllink: Value; Bestellnummer: Value; Bestücken (Assemble): NEIN (NO); Dateiname Blatt: Motortreiber.kicad_sch; Funktion: Value; Gehäuseart: Value; Hersteller: Value; Hersteller Bestellnummer: Value; Schaltplanname: Motortreiber; Technische Daten: Value
P20 P23 = -: Bestelllink: Value; Bestücken (Assemble): NEIN (NO); Dateiname Blatt: Anschlußstecker.kicad_sch; Gehäuseart: Value; Schaltplanname: Anschlußstecker
P24 P32-P34 P38 P45 P47 = -: Bestücken (Assemble): NEIN (NO); Dateiname Blatt: Spannungsversorgung.kicad_sch; Schaltplanname: Spannungsversorgung
P29 = -: Bauform: Value; Bestelllink: Value; Bestellnummer: Value; Bestücken (Assemble): NEIN (NO); Dateiname Blatt: Spannungsversorgung.kicad_sch; Funktion: Value; Gehäuseart: Value; Hersteller: Value; Hersteller Bestellnummer: Value; Schaltplanname: Spannungsversorgung; Technische Daten: Value
P42 P43 P49 = -: Bauform: Value; Bestelllink: Value; Bestellnummer: Value; Bestücken (Assemble): NEIN (NO); Dateiname Blatt: ardumower mega shield svn.kicad_sch; Gehäuseart: Value; Technische Daten: Value
P50 = -: Bauform: Value; Bestelllink: https://www.reichelt.de/wannenstecker-14-polig-gerade-wsl-14g-p22819.html?GROUPID=7437&SEARCH=wsl14g&&r=1; Bestellnummer: R: WSL 14G; Bestücken (Assemble): NEIN (NO); Dateiname Blatt: Leuchtdioden.kicad_sch; Funktion: Wannenstecker, 14-polig, gerade; Hersteller: Value; Reichelt-Bestellnummer: R: WSL 14G; Schaltplanname: Leuchtdioden; Technische Daten: Wannenstecker, 14-polig, gerade
PC1 PC5 = -: Description: Interface; repeater; I2C, SMBus; Channels: 2; 2.7÷5.5VDC; Bauform: Value; Bestelllink: https://www.reichelt.de/PCF-I-C-Bus-Controller/PCA-9517-D/3/index.html?ACTION=3&LA=446&ARTICLE=70039&GROUPID=2942&artnr=PCA+9517+D&SEARCH=PCA9517D; Bestellnummer: R: PCA 9517 D; Bestücken (Assemble): JA (YES); Dateiname Blatt: I2C.kicad_sch; Funktion: Philips I²C-Bus Microcontroller & Peripherie; Gehäuseart: SO-8; Hersteller: Value; Hersteller Bestellnummer: Value; Package: SOIC-8 Texas Instruments; Reichelt-Bestellnummer: R: PCA 9517 D; Schaltplanname: I2C; Technische Daten: Philips I²C-Bus Microcontroller & Peripherie
PC2-PC4 PC6 PC7 = -: Description: Interface; repeater; I2C, SMBus; Channels: 2; 2.7÷5.5VDC; Bestelllink: https://www.reichelt.de/PCF-I-C-Bus-Controller/PCA-9517-D/3/index.html?ACTION=3&LA=446&ARTICLE=70039&GROUPID=2942&artnr=PCA+9517+D&SEARCH=PCA9517D; Bestellnummer: R: PCA 9517 D; Bestücken (Assemble): JA (YES); Dateiname Blatt: I2C.kicad_sch; Gehäuseart: SO-8; Hersteller Bestellnummer: Value; Package: SOIC-8 Texas Instruments; Reichelt-Bestellnummer: R: PCA 9517 D; Schaltplanname: I2C; Technische Daten: Philips I²C-Bus Microcontroller & Peripherie
PRFA1 = -: Bestelllink: https://www.reichelt.de/de/en/resettable-fuses-max-40-a-30-v-14-5-s-pfra-500-p35215.html?GROUP=C48&GROUPID=7658&START=0&SORT=-rank&OFFSET=16&&r=1; Bestellnummer: R: PFRA 500; Bestücken (Assemble): NEIN (NO); Dateiname Blatt: Motortreiber1.kicad_sch; Funktion: PFRA 500 Resettable fuses, max. 40 A, 30 V, 14.5 s; Reichelt-Bestellnummer: R: PFRA 500; Schaltplanname: Motortreiber1; Technische Daten: PFRA 500 Resettable fuses, max. 40 A, 30 V, 14.5 s
